# Allegro board LED_FIN.brd (continued)
## Placement (name value [footprint] x y rotation side) (continued)
D12223  0603_LED  [0603_SINGLE]  181.25 186 0 top
D12224  0603_LED  [0603_SINGLE]  183.25 186 0 top
D12225  0603_LED  [0603_SINGLE]  185.25 186 0 top
D12226  0603_LED  [0603_SINGLE]  187.25 186 0 top
D12227  0603_LED  [0603_SINGLE]  189.25 186 0 top
D12228  0603_LED  [0603_SINGLE]  191.25 186 0 top
D12229  0603_LED  [0603_SINGLE]  193.25 186 0 top
D12230  0603_LED  [0603_SINGLE]  195.25 186 0 top
D12231  0603_LED  [0603_SINGLE]  197.25 186 0 top
D12232  0603_LED  [0603_SINGLE]  199.25 186 0 top
D12233  0603_LED  [0603_SINGLE]  201.25 186 0 top
D12234  0603_LED  [0603_SINGLE]  203.25 186 0 top
D12235  0603_LED  [0603_SINGLE]  205.25 186 0 top
D12236  0603_LED  [0603_SINGLE]  207.25 186 0 top
D12237  0603_LED  [0603_SINGLE]  209.25 186 0 top
D12238  0603_LED  [0603_SINGLE]  211.25 186 0 top
D12239  0603_LED  [0603_SINGLE]  213.25 186 0 top
D12240  0603_LED  [0603_SINGLE]  215.25 186 0 top
D12241  0603_LED  [0603_SINGLE]  157.25 184 0 top
D12242  0603_LED  [0603_SINGLE]  159.25 184 0 top
D12243  0603_LED  [0603_SINGLE]  161.25 184 0 top
D12244  0603_LED  [0603_SINGLE]  163.25 184 0 top
D12245  0603_LED  [0603_SINGLE]  165.25 184 0 top
D12246  0603_LED  [0603_SINGLE]  167.25 184 0 top
D12247  0603_LED  [0603_SINGLE]  169.25 184 0 top
D12248  0603_LED  [0603_SINGLE]  171.25 184 0 top
D12249  0603_LED  [0603_SINGLE]  173.25 184 0 top
D12250  0603_LED  [0603_SINGLE]  175.25 184 0 top
D12251  0603_LED  [0603_SINGLE]  177.25 184 0 top
D12252  0603_LED  [0603_SINGLE]  179.25 184 0 top
D12253  0603_LED  [0603_SINGLE]  181.25 184 0 top
D12254  0603_LED  [0603_SINGLE]  183.25 184 0 top
D12255  0603_LED  [0603_SINGLE]  185.25 184 0 top
D12256  0603_LED  [0603_SINGLE]  187.25 184 0 top
D12257  0603_LED  [0603_SINGLE]  189.25 184 0 top
D12258  0603_LED  [0603_SINGLE]  191.25 184 0 top
D12259  0603_LED  [0603_SINGLE]  193.25 184 0 top
D12260  0603_LED  [0603_SINGLE]  195.25 184 0 top
D12261  0603_LED  [0603_SINGLE]  197.25 184 0 top
D12262  0603_LED  [0603_SINGLE]  199.25 184 0 top
D12263  0603_LED  [0603_SINGLE]  201.25 184 0 top
D12264  0603_LED  [0603_SINGLE]  203.25 184 0 top
D12265  0603_LED  [0603_SINGLE]  205.25 184 0 top
D12266  0603_LED  [0603_SINGLE]  207.25 184 0 top
D12267  0603_LED  [0603_SINGLE]  209.25 184 0 top
D12268  0603_LED  [0603_SINGLE]  211.25 184 0 top
D12269  0603_LED  [0603_SINGLE]  213.25 184 0 top
D12270  0603_LED  [0603_SINGLE]  215.25 184 0 top
D12271  0603_LED  [0603_SINGLE]  157.25 182 0 top
D12272  0603_LED  [0603_SINGLE]  159.25 182 0 top
D12273  0603_LED  [0603_SINGLE]  161.25 182 0 top
D12274  0603_LED  [0603_SINGLE]  163.25 182 0 top
D12275  0603_LED  [0603_SINGLE]  165.25 182 0 top
D12276  0603_LED  [0603_SINGLE]  167.25 182 0 top
D12277  0603_LED  [0603_SINGLE]  169.25 182 0 top
D12278  0603_LED  [0603_SINGLE]  171.25 182 0 top
D12279  0603_LED  [0603_SINGLE]  173.25 182 0 top
D12280  0603_LED  [0603_SINGLE]  175.25 182 0 top
D12281  0603_LED  [0603_SINGLE]  177.25 182 0 top
D12282  0603_LED  [0603_SINGLE]  179.25 182 0 top
D12283  0603_LED  [0603_SINGLE]  181.25 182 0 top
D12284  0603_LED  [0603_SINGLE]  183.25 182 0 top
D12285  0603_LED  [0603_SINGLE]  185.25 182 0 top
D12286  0603_LED  [0603_SINGLE]  187.25 182 0 top
D12287  0603_LED  [0603_SINGLE]  189.25 182 0 top
D12288  0603_LED  [0603_SINGLE]  191.25 182 0 top
D12289  0603_LED  [0603_SINGLE]  193.25 182 0 top
D12290  0603_LED  [0603_SINGLE]  195.25 182 0 top
D12291  0603_LED  [0603_SINGLE]  197.25 182 0 top
D12292  0603_LED  [0603_SINGLE]  199.25 182 0 top
D12293  0603_LED  [0603_SINGLE]  201.25 182 0 top
D12294  0603_LED  [0603_SINGLE]  203.25 182 0 top
D12295  0603_LED  [0603_SINGLE]  205.25 182 0 top
D12296  0603_LED  [0603_SINGLE]  207.25 182 0 top
D12297  0603_LED  [0603_SINGLE]  209.25 182 0 top
D12298  0603_LED  [0603_SINGLE]  211.25 182 0 top
D12299  0603_LED  [0603_SINGLE]  213.25 182 0 top
D12300  0603_LED  [0603_SINGLE]  215.25 182 0 top
D12301  0603_LED  [0603_SINGLE]  157.25 180 0 top
D12302  0603_LED  [0603_SINGLE]  159.25 180 0 top
D12303  0603_LED  [0603_SINGLE]  161.25 180 0 top
D12304  0603_LED  [0603_SINGLE]  163.25 180 0 top
D12305  0603_LED  [0603_SINGLE]  165.25 180 0 top
D12306  0603_LED  [0603_SINGLE]  167.25 180 0 top
D12307  0603_LED  [0603_SINGLE]  169.25 180 0 top
D12308  0603_LED  [0603_SINGLE]  171.25 180 0 top
D12309  0603_LED  [0603_SINGLE]  173.25 180 0 top
D12310  0603_LED  [0603_SINGLE]  175.25 180 0 top
D12311  0603_LED  [0603_SINGLE]  177.25 180 0 top
D12312  0603_LED  [0603_SINGLE]  179.25 180 0 top
D12313  0603_LED  [0603_SINGLE]  181.25 180 0 top
D12314  0603_LED  [0603_SINGLE]  183.25 180 0 top
D12315  0603_LED  [0603_SINGLE]  185.25 180 0 top
D12316  0603_LED  [0603_SINGLE]  187.25 180 0 top
D12317  0603_LED  [0603_SINGLE]  189.25 180 0 top
D12318  0603_LED  [0603_SINGLE]  191.25 180 0 top
D12319  0603_LED  [0603_SINGLE]  193.25 180 0 top
D12320  0603_LED  [0603_SINGLE]  195.25 180 0 top
D12321  0603_LED  [0603_SINGLE]  197.25 180 0 top
D12322  0603_LED  [0603_SINGLE]  199.25 180 0 top
D12323  0603_LED  [0603_SINGLE]  201.25 180 0 top
D12324  0603_LED  [0603_SINGLE]  203.25 180 0 top
D12325  0603_LED  [0603_SINGLE]  205.25 180 0 top
D12326  0603_LED  [0603_SINGLE]  207.25 180 0 top
D12327  0603_LED  [0603_SINGLE]  209.25 180 0 top
D12328  0603_LED  [0603_SINGLE]  211.25 180 0 top
D12329  0603_LED  [0603_SINGLE]  213.25 180 0 top
D12330  0603_LED  [0603_SINGLE]  215.25 180 0 top
D12331  0603_LED  [0603_SINGLE]  157.25 178 0 top
D12332  0603_LED  [0603_SINGLE]  159.25 178 0 top
D12333  0603_LED  [0603_SINGLE]  161.25 178 0 top
D12334  0603_LED  [0603_SINGLE]  163.25 178 0 top
D12335  0603_LED  [0603_SINGLE]  165.25 178 0 top
D12336  0603_LED  [0603_SINGLE]  167.25 178 0 top
D12337  0603_LED  [0603_SINGLE]  169.25 178 0 top
D12338  0603_LED  [0603_SINGLE]  171.25 178 0 top
D12339  0603_LED  [0603_SINGLE]  173.25 178 0 top
D12340  0603_LED  [0603_SINGLE]  175.25 178 0 top
D12341  0603_LED  [0603_SINGLE]  177.25 178 0 top
D12342  0603_LED  [0603_SINGLE]  179.25 178 0 top
D12343  0603_LED  [0603_SINGLE]  181.25 178 0 top
D12344  0603_LED  [0603_SINGLE]  183.25 178 0 top
D12345  0603_LED  [0603_SINGLE]  185.25 178 0 top
D12346  0603_LED  [0603_SINGLE]  187.25 178 0 top
D12347  0603_LED  [0603_SINGLE]  189.25 178 0 top
D12348  0603_LED  [0603_SINGLE]  191.25 178 0 top
D12349  0603_LED  [0603_SINGLE]  193.25 178 0 top
D12350  0603_LED  [0603_SINGLE]  195.25 178 0 top
D12351  0603_LED  [0603_SINGLE]  197.25 178 0 top
D12352  0603_LED  [0603_SINGLE]  199.25 178 0 top
D12353  0603_LED  [0603_SINGLE]  201.25 178 0 top
D12354  0603_LED  [0603_SINGLE]  203.25 178 0 top
D12355  0603_LED  [0603_SINGLE]  205.25 178 0 top
D12356  0603_LED  [0603_SINGLE]  207.25 178 0 top
D12357  0603_LED  [0603_SINGLE]  209.25 178 0 top
D12358  0603_LED  [0603_SINGLE]  211.25 178 0 top
D12359  0603_LED  [0603_SINGLE]  213.25 178 0 top
D12360  0603_LED  [0603_SINGLE]  215.25 178 0 top
D12361  0603_LED  [0603_SINGLE]  157.25 176 0 top
D12362  0603_LED  [0603_SINGLE]  159.25 176 0 top
D12363  0603_LED  [0603_SINGLE]  161.25 176 0 top
D12364  0603_LED  [0603_SINGLE]  163.25 176 0 top
D12365  0603_LED  [0603_SINGLE]  165.25 176 0 top
D12366  0603_LED  [0603_SINGLE]  167.25 176 0 top
D12367  0603_LED  [0603_SINGLE]  169.25 176 0 top
D12368  0603_LED  [0603_SINGLE]  171.25 176 0 top
D12369  0603_LED  [0603_SINGLE]  173.25 176 0 top
D12370  0603_LED  [0603_SINGLE]  175.25 176 0 top
D12371  0603_LED  [0603_SINGLE]  177.25 176 0 top
D12372  0603_LED  [0603_SINGLE]  179.25 176 0 top
D12373  0603_LED  [0603_SINGLE]  181.25 176 0 top
D12374  0603_LED  [0603_SINGLE]  183.25 176 0 top
D12375  0603_LED  [0603_SINGLE]  185.25 176 0 top
D12376  0603_LED  [0603_SINGLE]  187.25 176 0 top
D12377  0603_LED  [0603_SINGLE]  189.25 176 0 top
D12378  0603_LED  [0603_SINGLE]  191.25 176 0 top
D12379  0603_LED  [0603_SINGLE]  193.25 176 0 top
D12380  0603_LED  [0603_SINGLE]  195.25 176 0 top
D12381  0603_LED  [0603_SINGLE]  197.25 176 0 top
D12382  0603_LED  [0603_SINGLE]  199.25 176 0 top
D12383  0603_LED  [0603_SINGLE]  201.25 176 0 top
D12384  0603_LED  [0603_SINGLE]  203.25 176 0 top
D12385  0603_LED  [0603_SINGLE]  205.25 176 0 top
D12386  0603_LED  [0603_SINGLE]  207.25 176 0 top
D12387  0603_LED  [0603_SINGLE]  209.25 176 0 top
D12388  0603_LED  [0603_SINGLE]  211.25 176 0 top
D12389  0603_LED  [0603_SINGLE]  213.25 176 0 top
D12390  0603_LED  [0603_SINGLE]  215.25 176 0 top
D12391  0603_LED  [0603_SINGLE]  157.25 174 0 top
D12392  0603_LED  [0603_SINGLE]  159.25 174 0 top
D12393  0603_LED  [0603_SINGLE]  161.25 174 0 top
D12394  0603_LED  [0603_SINGLE]  163.25 174 0 top
D12395  0603_LED  [0603_SINGLE]  165.25 174 0 top
D12396  0603_LED  [0603_SINGLE]  167.25 174 0 top
D12397  0603_LED  [0603_SINGLE]  169.25 174 0 top
D12398  0603_LED  [0603_SINGLE]  171.25 174 0 top
D12399  0603_LED  [0603_SINGLE]  173.25 174 0 top
D12400  0603_LED  [0603_SINGLE]  175.25 174 0 top
D12401  0603_LED  [0603_SINGLE]  177.25 174 0 top
D12402  0603_LED  [0603_SINGLE]  179.25 174 0 top
D12403  0603_LED  [0603_SINGLE]  181.25 174 0 top
D12404  0603_LED  [0603_SINGLE]  183.25 174 0 top
D12405  0603_LED  [0603_SINGLE]  185.25 174 0 top
D12406  0603_LED  [0603_SINGLE]  187.25 174 0 top
D12407  0603_LED  [0603_SINGLE]  189.25 174 0 top
D12408  0603_LED  [0603_SINGLE]  191.25 174 0 top
D12409  0603_LED  [0603_SINGLE]  193.25 174 0 top
D12410  0603_LED  [0603_SINGLE]  195.25 174 0 top
D12411  0603_LED  [0603_SINGLE]  197.25 174 0 top
D12412  0603_LED  [0603_SINGLE]  199.25 174 0 top
D12413  0603_LED  [0603_SINGLE]  201.25 174 0 top
D12414  0603_LED  [0603_SINGLE]  203.25 174 0 top
D12415  0603_LED  [0603_SINGLE]  205.25 174 0 top
D12416  0603_LED  [0603_SINGLE]  207.25 174 0 top
D12417  0603_LED  [0603_SINGLE]  209.25 174 0 top
D12418  0603_LED  [0603_SINGLE]  211.25 174 0 top
D12419  0603_LED  [0603_SINGLE]  213.25 174 0 top
D12420  0603_LED  [0603_SINGLE]  215.25 174 0 top
D12421  0603_LED  [0603_SINGLE]  157.25 172 0 top
D12422  0603_LED  [0603_SINGLE]  159.25 172 0 top
D12423  0603_LED  [0603_SINGLE]  161.25 172 0 top
D12424  0603_LED  [0603_SINGLE]  163.25 172 0 top
D12425  0603_LED  [0603_SINGLE]  165.25 172 0 top
D12426  0603_LED  [0603_SINGLE]  167.25 172 0 top
D12427  0603_LED  [0603_SINGLE]  169.25 172 0 top
D12428  0603_LED  [0603_SINGLE]  171.25 172 0 top
D12429  0603_LED  [0603_SINGLE]  173.25 172 0 top
D12430  0603_LED  [0603_SINGLE]  175.25 172 0 top
D12431  0603_LED  [0603_SINGLE]  177.25 172 0 top
D12432  0603_LED  [0603_SINGLE]  179.25 172 0 top
D12433  0603_LED  [0603_SINGLE]  181.25 172 0 top
D12434  0603_LED  [0603_SINGLE]  183.25 172 0 top
D12435  0603_LED  [0603_SINGLE]  185.25 172 0 top
D12436  0603_LED  [0603_SINGLE]  187.25 172 0 top
D12437  0603_LED  [0603_SINGLE]  189.25 172 0 top
D12438  0603_LED  [0603_SINGLE]  191.25 172 0 top
D12439  0603_LED  [0603_SINGLE]  193.25 172 0 top
D12440  0603_LED  [0603_SINGLE]  195.25 172 0 top
D12441  0603_LED  [0603_SINGLE]  197.25 172 0 top
D12442  0603_LED  [0603_SINGLE]  199.25 172 0 top
D12443  0603_LED  [0603_SINGLE]  201.25 172 0 top
D12444  0603_LED  [0603_SINGLE]  203.25 172 0 top
D12445  0603_LED  [0603_SINGLE]  205.25 172 0 top
D12446  0603_LED  [0603_SINGLE]  207.25 172 0 top
D12447  0603_LED  [0603_SINGLE]  209.25 172 0 top
D12448  0603_LED  [0603_SINGLE]  211.25 172 0 top
D12449  0603_LED  [0603_SINGLE]  213.25 172 0 top
D12450  0603_LED  [0603_SINGLE]  215.25 172 0 top
D12451  0603_LED  [0603_SINGLE]  157.25 170 0 top
D12452  0603_LED  [0603_SINGLE]  159.25 170 0 top
D12453  0603_LED  [0603_SINGLE]  161.25 170 0 top
D12454  0603_LED  [0603_SINGLE]  163.25 170 0 top
D12455  0603_LED  [0603_SINGLE]  165.25 170 0 top
D12456  0603_LED  [0603_SINGLE]  167.25 170 0 top
D12457  0603_LED  [0603_SINGLE]  169.25 170 0 top
D12458  0603_LED  [0603_SINGLE]  171.25 170 0 top
D12459  0603_LED  [0603_SINGLE]  173.25 170 0 top
D12460  0603_LED  [0603_SINGLE]  175.25 170 0 top
D12461  0603_LED  [0603_SINGLE]  177.25 170 0 top
D12462  0603_LED  [0603_SINGLE]  179.25 170 0 top
D12463  0603_LED  [0603_SINGLE]  181.25 170 0 top
D12464  0603_LED  [0603_SINGLE]  183.25 170 0 top
D12465  0603_LED  [0603_SINGLE]  185.25 170 0 top
D12466  0603_LED  [0603_SINGLE]  187.25 170 0 top
D12467  0603_LED  [0603_SINGLE]  189.25 170 0 top
D12468  0603_LED  [0603_SINGLE]  191.25 170 0 top
D12469  0603_LED  [0603_SINGLE]  193.25 170 0 top
D12470  0603_LED  [0603_SINGLE]  195.25 170 0 top
D12471  0603_LED  [0603_SINGLE]  197.25 170 0 top
D12472  0603_LED  [0603_SINGLE]  199.25 170 0 top
D12473  0603_LED  [0603_SINGLE]  201.25 170 0 top
D12474  0603_LED  [0603_SINGLE]  203.25 170 0 top
D12475  0603_LED  [0603_SINGLE]  205.25 170 0 top
D12476  0603_LED  [0603_SINGLE]  207.25 170 0 top
D12477  0603_LED  [0603_SINGLE]  209.25 170 0 top
D12478  0603_LED  [0603_SINGLE]  211.25 170 0 top
D12479  0603_LED  [0603_SINGLE]  213.25 170 0 top
D12480  0603_LED  [0603_SINGLE]  215.25 170 0 top
D12481  0603_LED  [0603_SINGLE]  157.25 168 0 top
D12482  0603_LED  [0603_SINGLE]  159.25 168 0 top
D12483  0603_LED  [0603_SINGLE]  161.25 168 0 top
D12484  0603_LED  [0603_SINGLE]  163.25 168 0 top
D12485  0603_LED  [0603_SINGLE]  165.25 168 0 top
D12486  0603_LED  [0603_SINGLE]  167.25 168 0 top
D12487  0603_LED  [0603_SINGLE]  169.25 168 0 top
D12488  0603_LED  [0603_SINGLE]  171.25 168 0 top
D12489  0603_LED  [0603_SINGLE]  173.25 168 0 top
D12490  0603_LED  [0603_SINGLE]  175.25 168 0 top
D12491  0603_LED  [0603_SINGLE]  177.25 168 0 top
D12492  0603_LED  [0603_SINGLE]  179.25 168 0 top
D12493  0603_LED  [0603_SINGLE]  181.25 168 0 top
D12494  0603_LED  [0603_SINGLE]  183.25 168 0 top
D12495  0603_LED  [0603_SINGLE]  185.25 168 0 top
D12496  0603_LED  [0603_SINGLE]  187.25 168 0 top
D12497  0603_LED  [0603_SINGLE]  189.25 168 0 top
D12498  0603_LED  [0603_SINGLE]  191.25 168 0 top
D12499  0603_LED  [0603_SINGLE]  193.25 168 0 top
D12500  0603_LED  [0603_SINGLE]  195.25 168 0 top
D12501  0603_LED  [0603_SINGLE]  197.25 168 0 top
D12502  0603_LED  [0603_SINGLE]  199.25 168 0 top
D12503  0603_LED  [0603_SINGLE]  201.25 168 0 top
D12504  0603_LED  [0603_SINGLE]  203.25 168 0 top
D12505  0603_LED  [0603_SINGLE]  205.25 168 0 top
D12506  0603_LED  [0603_SINGLE]  207.25 168 0 top
D12507  0603_LED  [0603_SINGLE]  209.25 168 0 top
D12508  0603_LED  [0603_SINGLE]  211.25 168 0 top
D12509  0603_LED  [0603_SINGLE]  213.25 168 0 top
D12510  0603_LED  [0603_SINGLE]  215.25 168 0 top
D12511  0603_LED  [0603_SINGLE]  157.25 166 0 top
D12512  0603_LED  [0603_SINGLE]  159.25 166 0 top
D12513  0603_LED  [0603_SINGLE]  161.25 166 0 top
D12514  0603_LED  [0603_SINGLE]  163.25 166 0 top
D12515  0603_LED  [0603_SINGLE]  165.25 166 0 top
D12516  0603_LED  [0603_SINGLE]  167.25 166 0 top
D12517  0603_LED  [0603_SINGLE]  169.25 166 0 top
D12518  0603_LED  [0603_SINGLE]  171.25 166 0 top
D12519  0603_LED  [0603_SINGLE]  173.25 166 0 top
D12520  0603_LED  [0603_SINGLE]  175.25 166 0 top
D12521  0603_LED  [0603_SINGLE]  177.25 166 0 top
D12522  0603_LED  [0603_SINGLE]  179.25 166 0 top
D12523  0603_LED  [0603_SINGLE]  181.25 166 0 top
D12524  0603_LED  [0603_SINGLE]  183.25 166 0 top
D12525  0603_LED  [0603_SINGLE]  185.25 166 0 top
D12526  0603_LED  [0603_SINGLE]  187.25 166 0 top
D12527  0603_LED  [0603_SINGLE]  189.25 166 0 top
D12528  0603_LED  [0603_SINGLE]  191.25 166 0 top
D12529  0603_LED  [0603_SINGLE]  193.25 166 0 top
D12530  0603_LED  [0603_SINGLE]  195.25 166 0 top
D12531  0603_LED  [0603_SINGLE]  197.25 166 0 top
D12532  0603_LED  [0603_SINGLE]  199.25 166 0 top
D12533  0603_LED  [0603_SINGLE]  201.25 166 0 top
D12534  0603_LED  [0603_SINGLE]  203.25 166 0 top
D12535  0603_LED  [0603_SINGLE]  205.25 166 0 top
D12536  0603_LED  [0603_SINGLE]  207.25 166 0 top
D12537  0603_LED  [0603_SINGLE]  209.25 166 0 top
D12538  0603_LED  [0603_SINGLE]  211.25 166 0 top
D12539  0603_LED  [0603_SINGLE]  213.25 166 0 top
D12540  0603_LED  [0603_SINGLE]  215.25 166 0 top
D12541  0603_LED  [0603_SINGLE]  217.25 240 0 top
D12542  0603_LED  [0603_SINGLE]  219.25 240 0 top
D12543  0603_LED  [0603_SINGLE]  221.25 240 0 top
D12544  0603_LED  [0603_SINGLE]  223.25 240 0 top
D12545  0603_LED  [0603_SINGLE]  225.25 240 0 top
D12546  0603_LED  [0603_SINGLE]  227.25 240 0 top
D12547  0603_LED  [0603_SINGLE]  229.25 240 0 top
D12548  0603_LED  [0603_SINGLE]  231.25 240 0 top
D12549  0603_LED  [0603_SINGLE]  233.25 240 0 top
D12550  0603_LED  [0603_SINGLE]  235.25 240 0 top
D12551  0603_LED  [0603_SINGLE]  237.25 240 0 top
D12552  0603_LED  [0603_SINGLE]  239.25 240 0 top
D12553  0603_LED  [0603_SINGLE]  241.25 240 0 top
D12554  0603_LED  [0603_SINGLE]  243.25 240 0 top
D12555  0603_LED  [0603_SINGLE]  245.25 240 0 top
D12556  0603_LED  [0603_SINGLE]  247.25 240 0 top
D12557  0603_LED  [0603_SINGLE]  249.25 240 0 top
D12558  0603_LED  [0603_SINGLE]  251.25 240 0 top
D12559  0603_LED  [0603_SINGLE]  253.25 240 0 top
D12560  0603_LED  [0603_SINGLE]  255.25 240 0 top
D12561  0603_LED  [0603_SINGLE]  257.25 240 0 top
D12562  0603_LED  [0603_SINGLE]  259.25 240 0 top
D12563  0603_LED  [0603_SINGLE]  261.25 240 0 top
D12564  0603_LED  [0603_SINGLE]  263.25 240 0 top
D12565  0603_LED  [0603_SINGLE]  265.25 240 0 top
D12566  0603_LED  [0603_SINGLE]  267.25 240 0 top
D12567  0603_LED  [0603_SINGLE]  269.25 240 0 top
D12568  0603_LED  [0603_SINGLE]  271.25 240 0 top
D12569  0603_LED  [0603_SINGLE]  273.25 240 0 top
D12570  0603_LED  [0603_SINGLE]  275.25 240 0 top
D12571  0603_LED  [0603_SINGLE]  217.25 238 0 top
D12572  0603_LED  [0603_SINGLE]  219.25 238 0 top
D12573  0603_LED  [0603_SINGLE]  221.25 238 0 top
D12574  0603_LED  [0603_SINGLE]  223.25 238 0 top
D12575  0603_LED  [0603_SINGLE]  225.25 238 0 top
D12576  0603_LED  [0603_SINGLE]  227.25 238 0 top
D12577  0603_LED  [0603_SINGLE]  229.25 238 0 top
D12578  0603_LED  [0603_SINGLE]  231.25 238 0 top
D12579  0603_LED  [0603_SINGLE]  233.25 238 0 top
D12580  0603_LED  [0603_SINGLE]  235.25 238 0 top
D12581  0603_LED  [0603_SINGLE]  237.25 238 0 top
D12582  0603_LED  [0603_SINGLE]  239.25 238 0 top
D12583  0603_LED  [0603_SINGLE]  241.25 238 0 top
D12584  0603_LED  [0603_SINGLE]  243.25 238 0 top
D12585  0603_LED  [0603_SINGLE]  245.25 238 0 top
D12586  0603_LED  [0603_SINGLE]  247.25 238 0 top
D12587  0603_LED  [0603_SINGLE]  249.25 238 0 top
D12588  0603_LED  [0603_SINGLE]  251.25 238 0 top
D12589  0603_LED  [0603_SINGLE]  253.25 238 0 top
D12590  0603_LED  [0603_SINGLE]  255.25 238 0 top
D12591  0603_LED  [0603_SINGLE]  257.25 238 0 top
D12592  0603_LED  [0603_SINGLE]  259.25 238 0 top
D12593  0603_LED  [0603_SINGLE]  261.25 238 0 top
D12594  0603_LED  [0603_SINGLE]  263.25 238 0 top
D12595  0603_LED  [0603_SINGLE]  265.25 238 0 top
D12596  0603_LED  [0603_SINGLE]  267.25 238 0 top
D12597  0603_LED  [0603_SINGLE]  269.25 238 0 top
D12598  0603_LED  [0603_SINGLE]  271.25 238 0 top
D12599  0603_LED  [0603_SINGLE]  273.25 238 0 top
D12600  0603_LED  [0603_SINGLE]  275.25 238 0 top
D12601  0603_LED  [0603_SINGLE]  217.25 236 0 top
D12602  0603_LED  [0603_SINGLE]  219.25 236 0 top
D12603  0603_LED  [0603_SINGLE]  221.25 236 0 top
D12604  0603_LED  [0603_SINGLE]  223.25 236 0 top
D12605  0603_LED  [0603_SINGLE]  225.25 236 0 top
D12606  0603_LED  [0603_SINGLE]  227.25 236 0 top
D12607  0603_LED  [0603_SINGLE]  229.25 236 0 top
D12608  0603_LED  [0603_SINGLE]  231.25 236 0 top
D12609  0603_LED  [0603_SINGLE]  233.25 236 0 top
D12610  0603_LED  [0603_SINGLE]  235.25 236 0 top
D12611  0603_LED  [0603_SINGLE]  237.25 236 0 top
D12612  0603_LED  [0603_SINGLE]  239.25 236 0 top
D12613  0603_LED  [0603_SINGLE]  241.25 236 0 top
D12614  0603_LED  [0603_SINGLE]  243.25 236 0 top
D12615  0603_LED  [0603_SINGLE]  245.25 236 0 top
D12616  0603_LED  [0603_SINGLE]  247.25 236 0 top
D12617  0603_LED  [0603_SINGLE]  249.25 236 0 top
D12618  0603_LED  [0603_SINGLE]  251.25 236 0 top
D12619  0603_LED  [0603_SINGLE]  253.25 236 0 top
D12620  0603_LED  [0603_SINGLE]  255.25 236 0 top
D12621  0603_LED  [0603_SINGLE]  257.25 236 0 top
D12622  0603_LED  [0603_SINGLE]  259.25 236 0 top
D12623  0603_LED  [0603_SINGLE]  261.25 236 0 top
D12624  0603_LED  [0603_SINGLE]  263.25 236 0 top
D12625  0603_LED  [0603_SINGLE]  265.25 236 0 top
D12626  0603_LED  [0603_SINGLE]  267.25 236 0 top
D12627  0603_LED  [0603_SINGLE]  269.25 236 0 top
D12628  0603_LED  [0603_SINGLE]  271.25 236 0 top
D12629  0603_LED  [0603_SINGLE]  273.25 236 0 top
D12630  0603_LED  [0603_SINGLE]  275.25 236 0 top
D12631  0603_LED  [0603_SINGLE]  217.25 234 0 top
D12632  0603_LED  [0603_SINGLE]  219.25 234 0 top
D12633  0603_LED  [0603_SINGLE]  221.25 234 0 top
D12634  0603_LED  [0603_SINGLE]  223.25 234 0 top
D12635  0603_LED  [0603_SINGLE]  225.25 234 0 top
D12636  0603_LED  [0603_SINGLE]  227.25 234 0 top
D12637  0603_LED  [0603_SINGLE]  229.25 234 0 top
D12638  0603_LED  [0603_SINGLE]  231.25 234 0 top
D12639  0603_LED  [0603_SINGLE]  233.25 234 0 top
D12640  0603_LED  [0603_SINGLE]  235.25 234 0 top
D12641  0603_LED  [0603_SINGLE]  237.25 234 0 top
D12642  0603_LED  [0603_SINGLE]  239.25 234 0 top
D12643  0603_LED  [0603_SINGLE]  241.25 234 0 top
D12644  0603_LED  [0603_SINGLE]  243.25 234 0 top
D12645  0603_LED  [0603_SINGLE]  245.25 234 0 top
D12646  0603_LED  [0603_SINGLE]  247.25 234 0 top
D12647  0603_LED  [0603_SINGLE]  249.25 234 0 top
D12648  0603_LED  [0603_SINGLE]  251.25 234 0 top
D12649  0603_LED  [0603_SINGLE]  253.25 234 0 top
D12650  0603_LED  [0603_SINGLE]  255.25 234 0 top
D12651  0603_LED  [0603_SINGLE]  257.25 234 0 top
D12652  0603_LED  [0603_SINGLE]  259.25 234 0 top
D12653  0603_LED  [0603_SINGLE]  261.25 234 0 top
D12654  0603_LED  [0603_SINGLE]  263.25 234 0 top
D12655  0603_LED  [0603_SINGLE]  265.25 234 0 top
D12656  0603_LED  [0603_SINGLE]  267.25 234 0 top
D12657  0603_LED  [0603_SINGLE]  269.25 234 0 top
D12658  0603_LED  [0603_SINGLE]  271.25 234 0 top
D12659  0603_LED  [0603_SINGLE]  273.25 234 0 top
D12660  0603_LED  [0603_SINGLE]  275.25 234 0 top
D12661  0603_LED  [0603_SINGLE]  217.25 232 0 top
D12662  0603_LED  [0603_SINGLE]  219.25 232 0 top
D12663  0603_LED  [0603_SINGLE]  221.25 232 0 top
D12664  0603_LED  [0603_SINGLE]  223.25 232 0 top
D12665  0603_LED  [0603_SINGLE]  225.25 232 0 top
D12666  0603_LED  [0603_SINGLE]  227.25 232 0 top
D12667  0603_LED  [0603_SINGLE]  229.25 232 0 top
D12668  0603_LED  [0603_SINGLE]  231.25 232 0 top
D12669  0603_LED  [0603_SINGLE]  233.25 232 0 top
D12670  0603_LED  [0603_SINGLE]  235.25 232 0 top
D12671  0603_LED  [0603_SINGLE]  237.25 232 0 top
D12672  0603_LED  [0603_SINGLE]  239.25 232 0 top
D12673  0603_LED  [0603_SINGLE]  241.25 232 0 top
D12674  0603_LED  [0603_SINGLE]  243.25 232 0 top
D12675  0603_LED  [0603_SINGLE]  245.25 232 0 top
D12676  0603_LED  [0603_SINGLE]  247.25 232 0 top
D12677  0603_LED  [0603_SINGLE]  249.25 232 0 top
D12678  0603_LED  [0603_SINGLE]  251.25 232 0 top
D12679  0603_LED  [0603_SINGLE]  253.25 232 0 top
D12680  0603_LED  [0603_SINGLE]  255.25 232 0 top
D12681  0603_LED  [0603_SINGLE]  257.25 232 0 top
D12682  0603_LED  [0603_SINGLE]  259.25 232 0 top
D12683  0603_LED  [0603_SINGLE]  261.25 232 0 top
D12684  0603_LED  [0603_SINGLE]  263.25 232 0 top
D12685  0603_LED  [0603_SINGLE]  265.25 232 0 top
D12686  0603_LED  [0603_SINGLE]  267.25 232 0 top
D12687  0603_LED  [0603_SINGLE]  269.25 232 0 top
D12688  0603_LED  [0603_SINGLE]  271.25 232 0 top
D12689  0603_LED  [0603_SINGLE]  273.25 232 0 top
D12690  0603_LED  [0603_SINGLE]  275.25 232 0 top
D12691  0603_LED  [0603_SINGLE]  217.25 230 0 top
D12692  0603_LED  [0603_SINGLE]  219.25 230 0 top
D12693  0603_LED  [0603_SINGLE]  221.25 230 0 top
D12694  0603_LED  [0603_SINGLE]  223.25 230 0 top
D12695  0603_LED  [0603_SINGLE]  225.25 230 0 top
D12696  0603_LED  [0603_SINGLE]  227.25 230 0 top
D12697  0603_LED  [0603_SINGLE]  229.25 230 0 top
D12698  0603_LED  [0603_SINGLE]  231.25 230 0 top
D12699  0603_LED  [0603_SINGLE]  233.25 230 0 top
D12700  0603_LED  [0603_SINGLE]  235.25 230 0 top
D12701  0603_LED  [0603_SINGLE]  237.25 230 0 top
D12702  0603_LED  [0603_SINGLE]  239.25 230 0 top
D12703  0603_LED  [0603_SINGLE]  241.25 230 0 top
D12704  0603_LED  [0603_SINGLE]  243.25 230 0 top
D12705  0603_LED  [0603_SINGLE]  245.25 230 0 top
D12706  0603_LED  [0603_SINGLE]  247.25 230 0 top
D12707  0603_LED  [0603_SINGLE]  249.25 230 0 top
D12708  0603_LED  [0603_SINGLE]  251.25 230 0 top
D12709  0603_LED  [0603_SINGLE]  253.25 230 0 top
D12710  0603_LED  [0603_SINGLE]  255.25 230 0 top
D12711  0603_LED  [0603_SINGLE]  257.25 230 0 top
D12712  0603_LED  [0603_SINGLE]  259.25 230 0 top
D12713  0603_LED  [0603_SINGLE]  261.25 230 0 top
D12714  0603_LED  [0603_SINGLE]  263.25 230 0 top
D12715  0603_LED  [0603_SINGLE]  265.25 230 0 top
D12716  0603_LED  [0603_SINGLE]  267.25 230 0 top
D12717  0603_LED  [0603_SINGLE]  269.25 230 0 top
D12718  0603_LED  [0603_SINGLE]  271.25 230 0 top
D12719  0603_LED  [0603_SINGLE]  273.25 230 0 top
D12720  0603_LED  [0603_SINGLE]  275.25 230 0 top
D12721  0603_LED  [0603_SINGLE]  217.25 228 0 top
D12722  0603_LED  [0603_SINGLE]  219.25 228 0 top
D12723  0603_LED  [0603_SINGLE]  221.25 228 0 top
D12724  0603_LED  [0603_SINGLE]  223.25 228 0 top
D12725  0603_LED  [0603_SINGLE]  225.25 228 0 top
D12726  0603_LED  [0603_SINGLE]  227.25 228 0 top
D12727  0603_LED  [0603_SINGLE]  229.25 228 0 top
D12728  0603_LED  [0603_SINGLE]  231.25 228 0 top
D12729  0603_LED  [0603_SINGLE]  233.25 228 0 top
D12730  0603_LED  [0603_SINGLE]  235.25 228 0 top
D12731  0603_LED  [0603_SINGLE]  237.25 228 0 top
D12732  0603_LED  [0603_SINGLE]  239.25 228 0 top
D12733  0603_LED  [0603_SINGLE]  241.25 228 0 top
D12734  0603_LED  [0603_SINGLE]  243.25 228 0 top
D12735  0603_LED  [0603_SINGLE]  245.25 228 0 top
D12736  0603_LED  [0603_SINGLE]  247.25 228 0 top
D12737  0603_LED  [0603_SINGLE]  249.25 228 0 top
D12738  0603_LED  [0603_SINGLE]  251.25 228 0 top
D12739  0603_LED  [0603_SINGLE]  253.25 228 0 top
D12740  0603_LED  [0603_SINGLE]  255.25 228 0 top
D12741  0603_LED  [0603_SINGLE]  257.25 228 0 top
D12742  0603_LED  [0603_SINGLE]  259.25 228 0 top
D12743  0603_LED  [0603_SINGLE]  261.25 228 0 top
D12744  0603_LED  [0603_SINGLE]  263.25 228 0 top
D12745  0603_LED  [0603_SINGLE]  265.25 228 0 top
D12746  0603_LED  [0603_SINGLE]  267.25 228 0 top
D12747  0603_LED  [0603_SINGLE]  269.25 228 0 top
D12748  0603_LED  [0603_SINGLE]  271.25 228 0 top
D12749  0603_LED  [0603_SINGLE]  273.25 228 0 top
D12750  0603_LED  [0603_SINGLE]  275.25 228 0 top
D12751  0603_LED  [0603_SINGLE]  217.25 226 0 top
D12752  0603_LED  [0603_SINGLE]  219.25 226 0 top
D12753  0603_LED  [0603_SINGLE]  221.25 226 0 top
D12754  0603_LED  [0603_SINGLE]  223.25 226 0 top
D12755  0603_LED  [0603_SINGLE]  225.25 226 0 top
D12756  0603_LED  [0603_SINGLE]  227.25 226 0 top
D12757  0603_LED  [0603_SINGLE]  229.25 226 0 top
D12758  0603_LED  [0603_SINGLE]  231.25 226 0 top
D12759  0603_LED  [0603_SINGLE]  233.25 226 0 top
D12760  0603_LED  [0603_SINGLE]  235.25 226 0 top
D12761  0603_LED  [0603_SINGLE]  237.25 226 0 top
D12762  0603_LED  [0603_SINGLE]  239.25 226 0 top
D12763  0603_LED  [0603_SINGLE]  241.25 226 0 top
D12764  0603_LED  [0603_SINGLE]  243.25 226 0 top
D12765  0603_LED  [0603_SINGLE]  245.25 226 0 top
D12766  0603_LED  [0603_SINGLE]  247.25 226 0 top
D12767  0603_LED  [0603_SINGLE]  249.25 226 0 top
D12768  0603_LED  [0603_SINGLE]  251.25 226 0 top
D12769  0603_LED  [0603_SINGLE]  253.25 226 0 top
D12770  0603_LED  [0603_SINGLE]  255.25 226 0 top
D12771  0603_LED  [0603_SINGLE]  257.25 226 0 top
D12772  0603_LED  [0603_SINGLE]  259.25 226 0 top
D12773  0603_LED  [0603_SINGLE]  261.25 226 0 top
D12774  0603_LED  [0603_SINGLE]  263.25 226 0 top
D12775  0603_LED  [0603_SINGLE]  265.25 226 0 top
D12776  0603_LED  [0603_SINGLE]  267.25 226 0 top
D12777  0603_LED  [0603_SINGLE]  269.25 226 0 top
D12778  0603_LED  [0603_SINGLE]  271.25 226 0 top
D12779  0603_LED  [0603_SINGLE]  273.25 226 0 top
D12780  0603_LED  [0603_SINGLE]  275.25 226 0 top
D12781  0603_LED  [0603_SINGLE]  217.25 224 0 top
D12782  0603_LED  [0603_SINGLE]  219.25 224 0 top
D12783  0603_LED  [0603_SINGLE]  221.25 224 0 top
D12784  0603_LED  [0603_SINGLE]  223.25 224 0 top
D12785  0603_LED  [0603_SINGLE]  225.25 224 0 top
D12786  0603_LED  [0603_SINGLE]  227.25 224 0 top
D12787  0603_LED  [0603_SINGLE]  229.25 224 0 top
D12788  0603_LED  [0603_SINGLE]  231.25 224 0 top
D12789  0603_LED  [0603_SINGLE]  233.25 224 0 top
D12790  0603_LED  [0603_SINGLE]  235.25 224 0 top
D12791  0603_LED  [0603_SINGLE]  237.25 224 0 top
D12792  0603_LED  [0603_SINGLE]  239.25 224 0 top
D12793  0603_LED  [0603_SINGLE]  241.25 224 0 top
D12794  0603_LED  [0603_SINGLE]  243.25 224 0 top
D12795  0603_LED  [0603_SINGLE]  245.25 224 0 top
D12796  0603_LED  [0603_SINGLE]  247.25 224 0 top
D12797  0603_LED  [0603_SINGLE]  249.25 224 0 top
D12798  0603_LED  [0603_SINGLE]  251.25 224 0 top
D12799  0603_LED  [0603_SINGLE]  253.25 224 0 top
D12800  0603_LED  [0603_SINGLE]  255.25 224 0 top
D12801  0603_LED  [0603_SINGLE]  257.25 224 0 top
D12802  0603_LED  [0603_SINGLE]  259.25 224 0 top
D12803  0603_LED  [0603_SINGLE]  261.25 224 0 top
D12804  0603_LED  [0603_SINGLE]  263.25 224 0 top
D12805  0603_LED  [0603_SINGLE]  265.25 224 0 top
D12806  0603_LED  [0603_SINGLE]  267.25 224 0 top
D12807  0603_LED  [0603_SINGLE]  269.25 224 0 top
D12808  0603_LED  [0603_SINGLE]  271.25 224 0 top
D12809  0603_LED  [0603_SINGLE]  273.25 224 0 top
D12810  0603_LED  [0603_SINGLE]  275.25 224 0 top
D12811  0603_LED  [0603_SINGLE]  217.25 222 0 top
D12812  0603_LED  [0603_SINGLE]  219.25 222 0 top
D12813  0603_LED  [0603_SINGLE]  221.25 222 0 top
D12814  0603_LED  [0603_SINGLE]  223.25 222 0 top
D12815  0603_LED  [0603_SINGLE]  225.25 222 0 top
D12816  0603_LED  [0603_SINGLE]  227.25 222 0 top
D12817  0603_LED  [0603_SINGLE]  229.25 222 0 top
D12818  0603_LED  [0603_SINGLE]  231.25 222 0 top
D12819  0603_LED  [0603_SINGLE]  233.25 222 0 top
D12820  0603_LED  [0603_SINGLE]  235.25 222 0 top
D12821  0603_LED  [0603_SINGLE]  237.25 222 0 top
D12822  0603_LED  [0603_SINGLE]  239.25 222 0 top
D12823  0603_LED  [0603_SINGLE]  241.25 222 0 top
D12824  0603_LED  [0603_SINGLE]  243.25 222 0 top
D12825  0603_LED  [0603_SINGLE]  245.25 222 0 top
D12826  0603_LED  [0603_SINGLE]  247.25 222 0 top
D12827  0603_LED  [0603_SINGLE]  249.25 222 0 top
D12828  0603_LED  [0603_SINGLE]  251.25 222 0 top
D12829  0603_LED  [0603_SINGLE]  253.25 222 0 top
D12830  0603_LED  [0603_SINGLE]  255.25 222 0 top
D12831  0603_LED  [0603_SINGLE]  257.25 222 0 top
D12832  0603_LED  [0603_SINGLE]  259.25 222 0 top
D12833  0603_LED  [0603_SINGLE]  261.25 222 0 top
D12834  0603_LED  [0603_SINGLE]  263.25 222 0 top
D12835  0603_LED  [0603_SINGLE]  265.25 222 0 top
D12836  0603_LED  [0603_SINGLE]  267.25 222 0 top
D12837  0603_LED  [0603_SINGLE]  269.25 222 0 top
D12838  0603_LED  [0603_SINGLE]  271.25 222 0 top
D12839  0603_LED  [0603_SINGLE]  273.25 222 0 top
D12840  0603_LED  [0603_SINGLE]  275.25 222 0 top
D12841  0603_LED  [0603_SINGLE]  217.25 220 0 top
D12842  0603_LED  [0603_SINGLE]  219.25 220 0 top
D12843  0603_LED  [0603_SINGLE]  221.25 220 0 top
D12844  0603_LED  [0603_SINGLE]  223.25 220 0 top
D12845  0603_LED  [0603_SINGLE]  225.25 220 0 top
D12846  0603_LED  [0603_SINGLE]  227.25 220 0 top
D12847  0603_LED  [0603_SINGLE]  229.25 220 0 top
D12848  0603_LED  [0603_SINGLE]  231.25 220 0 top
D12849  0603_LED  [0603_SINGLE]  233.25 220 0 top
D12850  0603_LED  [0603_SINGLE]  235.25 220 0 top
D12851  0603_LED  [0603_SINGLE]  237.25 220 0 top
D12852  0603_LED  [0603_SINGLE]  239.25 220 0 top
D12853  0603_LED  [0603_SINGLE]  241.25 220 0 top
D12854  0603_LED  [0603_SINGLE]  243.25 220 0 top
D12855  0603_LED  [0603_SINGLE]  245.25 220 0 top
D12856  0603_LED  [0603_SINGLE]  247.25 220 0 top
D12857  0603_LED  [0603_SINGLE]  249.25 220 0 top
D12858  0603_LED  [0603_SINGLE]  251.25 220 0 top
D12859  0603_LED  [0603_SINGLE]  253.25 220 0 top
D12860  0603_LED  [0603_SINGLE]  255.25 220 0 top
D12861  0603_LED  [0603_SINGLE]  257.25 220 0 top
D12862  0603_LED  [0603_SINGLE]  259.25 220 0 top
D12863  0603_LED  [0603_SINGLE]  261.25 220 0 top
D12864  0603_LED  [0603_SINGLE]  263.25 220 0 top
D12865  0603_LED  [0603_SINGLE]  265.25 220 0 top
D12866  0603_LED  [0603_SINGLE]  267.25 220 0 top
D12867  0603_LED  [0603_SINGLE]  269.25 220 0 top
D12868  0603_LED  [0603_SINGLE]  271.25 220 0 top
D12869  0603_LED  [0603_SINGLE]  273.25 220 0 top
D12870  0603_LED  [0603_SINGLE]  275.25 220 0 top
D12871  0603_LED  [0603_SINGLE]  217.25 218 0 top
D12872  0603_LED  [0603_SINGLE]  219.25 218 0 top
D12873  0603_LED  [0603_SINGLE]  221.25 218 0 top
D12874  0603_LED  [0603_SINGLE]  223.25 218 0 top
D12875  0603_LED  [0603_SINGLE]  225.25 218 0 top
D12876  0603_LED  [0603_SINGLE]  227.25 218 0 top
D12877  0603_LED  [0603_SINGLE]  229.25 218 0 top
D12878  0603_LED  [0603_SINGLE]  231.25 218 0 top
D12879  0603_LED  [0603_SINGLE]  233.25 218 0 top
D12880  0603_LED  [0603_SINGLE]  235.25 218 0 top
D12881  0603_LED  [0603_SINGLE]  237.25 218 0 top
D12882  0603_LED  [0603_SINGLE]  239.25 218 0 top
D12883  0603_LED  [0603_SINGLE]  241.25 218 0 top
D12884  0603_LED  [0603_SINGLE]  243.25 218 0 top
D12885  0603_LED  [0603_SINGLE]  245.25 218 0 top
D12886  0603_LED  [0603_SINGLE]  247.25 218 0 top
D12887  0603_LED  [0603_SINGLE]  249.25 218 0 top
D12888  0603_LED  [0603_SINGLE]  251.25 218 0 top
D12889  0603_LED  [0603_SINGLE]  253.25 218 0 top
D12890  0603_LED  [0603_SINGLE]  255.25 218 0 top
D12891  0603_LED  [0603_SINGLE]  257.25 218 0 top
D12892  0603_LED  [0603_SINGLE]  259.25 218 0 top
D12893  0603_LED  [0603_SINGLE]  261.25 218 0 top
D12894  0603_LED  [0603_SINGLE]  263.25 218 0 top
D12895  0603_LED  [0603_SINGLE]  265.25 218 0 top
D12896  0603_LED  [0603_SINGLE]  267.25 218 0 top
D12897  0603_LED  [0603_SINGLE]  269.25 218 0 top
D12898  0603_LED  [0603_SINGLE]  271.25 218 0 top
D12899  0603_LED  [0603_SINGLE]  273.25 218 0 top
D12900  0603_LED  [0603_SINGLE]  275.25 218 0 top
D12901  0603_LED  [0603_SINGLE]  217.25 216 0 top
D12902  0603_LED  [0603_SINGLE]  219.25 216 0 top
D12903  0603_LED  [0603_SINGLE]  221.25 216 0 top
D12904  0603_LED  [0603_SINGLE]  223.25 216 0 top
D12905  0603_LED  [0603_SINGLE]  225.25 216 0 top
D12906  0603_LED  [0603_SINGLE]  227.25 216 0 top
D12907  0603_LED  [0603_SINGLE]  229.25 216 0 top
D12908  0603_LED  [0603_SINGLE]  231.25 216 0 top
D12909  0603_LED  [0603_SINGLE]  233.25 216 0 top
D12910  0603_LED  [0603_SINGLE]  235.25 216 0 top
D12911  0603_LED  [0603_SINGLE]  237.25 216 0 top
D12912  0603_LED  [0603_SINGLE]  239.25 216 0 top
D12913  0603_LED  [0603_SINGLE]  241.25 216 0 top
D12914  0603_LED  [0603_SINGLE]  243.25 216 0 top
D12915  0603_LED  [0603_SINGLE]  245.25 216 0 top
D12916  0603_LED  [0603_SINGLE]  247.25 216 0 top
D12917  0603_LED  [0603_SINGLE]  249.25 216 0 top
D12918  0603_LED  [0603_SINGLE]  251.25 216 0 top
D12919  0603_LED  [0603_SINGLE]  253.25 216 0 top
D12920  0603_LED  [0603_SINGLE]  255.25 216 0 top
D12921  0603_LED  [0603_SINGLE]  257.25 216 0 top
D12922  0603_LED  [0603_SINGLE]  259.25 216 0 top
D12923  0603_LED  [0603_SINGLE]  261.25 216 0 top
D12924  0603_LED  [0603_SINGLE]  263.25 216 0 top
D12925  0603_LED  [0603_SINGLE]  265.25 216 0 top
D12926  0603_LED  [0603_SINGLE]  267.25 216 0 top
D12927  0603_LED  [0603_SINGLE]  269.25 216 0 top
D12928  0603_LED  [0603_SINGLE]  271.25 216 0 top
D12929  0603_LED  [0603_SINGLE]  273.25 216 0 top
D12930  0603_LED  [0603_SINGLE]  275.25 216 0 top
D12931  0603_LED  [0603_SINGLE]  217.25 214 0 top
D12932  0603_LED  [0603_SINGLE]  219.25 214 0 top
D12933  0603_LED  [0603_SINGLE]  221.25 214 0 top
D12934  0603_LED  [0603_SINGLE]  223.25 214 0 top
D12935  0603_LED  [0603_SINGLE]  225.25 214 0 top
D12936  0603_LED  [0603_SINGLE]  227.25 214 0 top
D12937  0603_LED  [0603_SINGLE]  229.25 214 0 top
D12938  0603_LED  [0603_SINGLE]  231.25 214 0 top
D12939  0603_LED  [0603_SINGLE]  233.25 214 0 top
D12940  0603_LED  [0603_SINGLE]  235.25 214 0 top
D12941  0603_LED  [0603_SINGLE]  237.25 214 0 top
D12942  0603_LED  [0603_SINGLE]  239.25 214 0 top
D12943  0603_LED  [0603_SINGLE]  241.25 214 0 top
D12944  0603_LED  [0603_SINGLE]  243.25 214 0 top
D12945  0603_LED  [0603_SINGLE]  245.25 214 0 top
D12946  0603_LED  [0603_SINGLE]  247.25 214 0 top
D12947  0603_LED  [0603_SINGLE]  249.25 214 0 top
D12948  0603_LED  [0603_SINGLE]  251.25 214 0 top
D12949  0603_LED  [0603_SINGLE]  253.25 214 0 top
D12950  0603_LED  [0603_SINGLE]  255.25 214 0 top
D12951  0603_LED  [0603_SINGLE]  257.25 214 0 top
D12952  0603_LED  [0603_SINGLE]  259.25 214 0 top
D12953  0603_LED  [0603_SINGLE]  261.25 214 0 top
D12954  0603_LED  [0603_SINGLE]  263.25 214 0 top
D12955  0603_LED  [0603_SINGLE]  265.25 214 0 top
D12956  0603_LED  [0603_SINGLE]  267.25 214 0 top
D12957  0603_LED  [0603_SINGLE]  269.25 214 0 top
D12958  0603_LED  [0603_SINGLE]  271.25 214 0 top
D12959  0603_LED  [0603_SINGLE]  273.25 214 0 top
D12960  0603_LED  [0603_SINGLE]  275.25 214 0 top
D12961  0603_LED  [0603_SINGLE]  217.25 212 0 top
D12962  0603_LED  [0603_SINGLE]  219.25 212 0 top
D12963  0603_LED  [0603_SINGLE]  221.25 212 0 top
D12964  0603_LED  [0603_SINGLE]  223.25 212 0 top
D12965  0603_LED  [0603_SINGLE]  225.25 212 0 top
D12966  0603_LED  [0603_SINGLE]  227.25 212 0 top
D12967  0603_LED  [0603_SINGLE]  229.25 212 0 top
D12968  0603_LED  [0603_SINGLE]  231.25 212 0 top
D12969  0603_LED  [0603_SINGLE]  233.25 212 0 top
D12970  0603_LED  [0603_SINGLE]  235.25 212 0 top
D12971  0603_LED  [0603_SINGLE]  237.25 212 0 top
D12972  0603_LED  [0603_SINGLE]  239.25 212 0 top
D12973  0603_LED  [0603_SINGLE]  241.25 212 0 top
D12974  0603_LED  [0603_SINGLE]  243.25 212 0 top
D12975  0603_LED  [0603_SINGLE]  245.25 212 0 top
D12976  0603_LED  [0603_SINGLE]  247.25 212 0 top
D12977  0603_LED  [0603_SINGLE]  249.25 212 0 top
D12978  0603_LED  [0603_SINGLE]  251.25 212 0 top
D12979  0603_LED  [0603_SINGLE]  253.25 212 0 top
D12980  0603_LED  [0603_SINGLE]  255.25 212 0 top
D12981  0603_LED  [0603_SINGLE]  257.25 212 0 top
D12982  0603_LED  [0603_SINGLE]  259.25 212 0 top
D12983  0603_LED  [0603_SINGLE]  261.25 212 0 top
D12984  0603_LED  [0603_SINGLE]  263.25 212 0 top
D12985  0603_LED  [0603_SINGLE]  265.25 212 0 top
D12986  0603_LED  [0603_SINGLE]  267.25 212 0 top
D12987  0603_LED  [0603_SINGLE]  269.25 212 0 top
D12988  0603_LED  [0603_SINGLE]  271.25 212 0 top
D12989  0603_LED  [0603_SINGLE]  273.25 212 0 top
D12990  0603_LED  [0603_SINGLE]  275.25 212 0 top
D12991  0603_LED  [0603_SINGLE]  217.25 210 0 top
D12992  0603_LED  [0603_SINGLE]  219.25 210 0 top
D12993  0603_LED  [0603_SINGLE]  221.25 210 0 top
D12994  0603_LED  [0603_SINGLE]  223.25 210 0 top
D12995  0603_LED  [0603_SINGLE]  225.25 210 0 top
D12996  0603_LED  [0603_SINGLE]  227.25 210 0 top
D12997  0603_LED  [0603_SINGLE]  229.25 210 0 top
D12998  0603_LED  [0603_SINGLE]  231.25 210 0 top
D12999  0603_LED  [0603_SINGLE]  233.25 210 0 top
D13000  0603_LED  [0603_SINGLE]  235.25 210 0 top
D13001  0603_LED  [0603_SINGLE]  237.25 210 0 top
D13002  0603_LED  [0603_SINGLE]  239.25 210 0 top
D13003  0603_LED  [0603_SINGLE]  241.25 210 0 top
D13004  0603_LED  [0603_SINGLE]  243.25 210 0 top
D13005  0603_LED  [0603_SINGLE]  245.25 210 0 top
D13006  0603_LED  [0603_SINGLE]  247.25 210 0 top
D13007  0603_LED  [0603_SINGLE]  249.25 210 0 top
D13008  0603_LED  [0603_SINGLE]  251.25 210 0 top
D13009  0603_LED  [0603_SINGLE]  253.25 210 0 top
D13010  0603_LED  [0603_SINGLE]  255.25 210 0 top
D13011  0603_LED  [0603_SINGLE]  257.25 210 0 top
D13012  0603_LED  [0603_SINGLE]  259.25 210 0 top
D13013  0603_LED  [0603_SINGLE]  261.25 210 0 top
D13014  0603_LED  [0603_SINGLE]  263.25 210 0 top
D13015  0603_LED  [0603_SINGLE]  265.25 210 0 top
D13016  0603_LED  [0603_SINGLE]  267.25 210 0 top
D13017  0603_LED  [0603_SINGLE]  269.25 210 0 top
D13018  0603_LED  [0603_SINGLE]  271.25 210 0 top
D13019  0603_LED  [0603_SINGLE]  273.25 210 0 top
D13020  0603_LED  [0603_SINGLE]  275.25 210 0 top
D13021  0603_LED  [0603_SINGLE]  217.25 208 0 top
D13022  0603_LED  [0603_SINGLE]  219.25 208 0 top
D13023  0603_LED  [0603_SINGLE]  221.25 208 0 top
D13024  0603_LED  [0603_SINGLE]  223.25 208 0 top
D13025  0603_LED  [0603_SINGLE]  225.25 208 0 top
D13026  0603_LED  [0603_SINGLE]  227.25 208 0 top
D13027  0603_LED  [0603_SINGLE]  229.25 208 0 top
D13028  0603_LED  [0603_SINGLE]  231.25 208 0 top
D13029  0603_LED  [0603_SINGLE]  233.25 208 0 top
D13030  0603_LED  [0603_SINGLE]  235.25 208 0 top
D13031  0603_LED  [0603_SINGLE]  237.25 208 0 top
D13032  0603_LED  [0603_SINGLE]  239.25 208 0 top
D13033  0603_LED  [0603_SINGLE]  241.25 208 0 top
D13034  0603_LED  [0603_SINGLE]  243.25 208 0 top
D13035  0603_LED  [0603_SINGLE]  245.25 208 0 top
D13036  0603_LED  [0603_SINGLE]  247.25 208 0 top
D13037  0603_LED  [0603_SINGLE]  249.25 208 0 top
D13038  0603_LED  [0603_SINGLE]  251.25 208 0 top
D13039  0603_LED  [0603_SINGLE]  253.25 208 0 top
D13040  0603_LED  [0603_SINGLE]  255.25 208 0 top
D13041  0603_LED  [0603_SINGLE]  257.25 208 0 top
D13042  0603_LED  [0603_SINGLE]  259.25 208 0 top
D13043  0603_LED  [0603_SINGLE]  261.25 208 0 top
D13044  0603_LED  [0603_SINGLE]  263.25 208 0 top
D13045  0603_LED  [0603_SINGLE]  265.25 208 0 top
D13046  0603_LED  [0603_SINGLE]  267.25 208 0 top
D13047  0603_LED  [0603_SINGLE]  269.25 208 0 top
D13048  0603_LED  [0603_SINGLE]  271.25 208 0 top
D13049  0603_LED  [0603_SINGLE]  273.25 208 0 top
D13050  0603_LED  [0603_SINGLE]  275.25 208 0 top
D13051  0603_LED  [0603_SINGLE]  217.25 206 0 top
D13052  0603_LED  [0603_SINGLE]  219.25 206 0 top
D13053  0603_LED  [0603_SINGLE]  221.25 206 0 top
D13054  0603_LED  [0603_SINGLE]  223.25 206 0 top
D13055  0603_LED  [0603_SINGLE]  225.25 206 0 top
D13056  0603_LED  [0603_SINGLE]  227.25 206 0 top
D13057  0603_LED  [0603_SINGLE]  229.25 206 0 top
D13058  0603_LED  [0603_SINGLE]  231.25 206 0 top
D13059  0603_LED  [0603_SINGLE]  233.25 206 0 top
D13060  0603_LED  [0603_SINGLE]  235.25 206 0 top
D13061  0603_LED  [0603_SINGLE]  237.25 206 0 top
D13062  0603_LED  [0603_SINGLE]  239.25 206 0 top
D13063  0603_LED  [0603_SINGLE]  241.25 206 0 top
D13064  0603_LED  [0603_SINGLE]  243.25 206 0 top
D13065  0603_LED  [0603_SINGLE]  245.25 206 0 top
D13066  0603_LED  [0603_SINGLE]  247.25 206 0 top
D13067  0603_LED  [0603_SINGLE]  249.25 206 0 top
D13068  0603_LED  [0603_SINGLE]  251.25 206 0 top
D13069  0603_LED  [0603_SINGLE]  253.25 206 0 top
D13070  0603_LED  [0603_SINGLE]  255.25 206 0 top
D13071  0603_LED  [0603_SINGLE]  257.25 206 0 top
D13072  0603_LED  [0603_SINGLE]  259.25 206 0 top
D13073  0603_LED  [0603_SINGLE]  261.25 206 0 top
D13074  0603_LED  [0603_SINGLE]  263.25 206 0 top
D13075  0603_LED  [0603_SINGLE]  265.25 206 0 top
D13076  0603_LED  [0603_SINGLE]  267.25 206 0 top
D13077  0603_LED  [0603_SINGLE]  269.25 206 0 top
D13078  0603_LED  [0603_SINGLE]  271.25 206 0 top
D13079  0603_LED  [0603_SINGLE]  273.25 206 0 top
D13080  0603_LED  [0603_SINGLE]  275.25 206 0 top
D13081  0603_LED  [0603_SINGLE]  217.25 204 0 top
D13082  0603_LED  [0603_SINGLE]  219.25 204 0 top
D13083  0603_LED  [0603_SINGLE]  221.25 204 0 top
D13084  0603_LED  [0603_SINGLE]  223.25 204 0 top
D13085  0603_LED  [0603_SINGLE]  225.25 204 0 top
D13086  0603_LED  [0603_SINGLE]  227.25 204 0 top
D13087  0603_LED  [0603_SINGLE]  229.25 204 0 top
D13088  0603_LED  [0603_SINGLE]  231.25 204 0 top
D13089  0603_LED  [0603_SINGLE]  233.25 204 0 top
D13090  0603_LED  [0603_SINGLE]  235.25 204 0 top
D13091  0603_LED  [0603_SINGLE]  237.25 204 0 top
D13092  0603_LED  [0603_SINGLE]  239.25 204 0 top
D13093  0603_LED  [0603_SINGLE]  241.25 204 0 top
D13094  0603_LED  [0603_SINGLE]  243.25 204 0 top
D13095  0603_LED  [0603_SINGLE]  245.25 204 0 top
D13096  0603_LED  [0603_SINGLE]  247.25 204 0 top
D13097  0603_LED  [0603_SINGLE]  249.25 204 0 top
D13098  0603_LED  [0603_SINGLE]  251.25 204 0 top
D13099  0603_LED  [0603_SINGLE]  253.25 204 0 top
D13100  0603_LED  [0603_SINGLE]  255.25 204 0 top
D13101  0603_LED  [0603_SINGLE]  257.25 204 0 top
D13102  0603_LED  [0603_SINGLE]  259.25 204 0 top
D13103  0603_LED  [0603_SINGLE]  261.25 204 0 top
D13104  0603_LED  [0603_SINGLE]  263.25 204 0 top
D13105  0603_LED  [0603_SINGLE]  265.25 204 0 top
D13106  0603_LED  [0603_SINGLE]  267.25 204 0 top
D13107  0603_LED  [0603_SINGLE]  269.25 204 0 top
D13108  0603_LED  [0603_SINGLE]  271.25 204 0 top
D13109  0603_LED  [0603_SINGLE]  273.25 204 0 top
D13110  0603_LED  [0603_SINGLE]  275.25 204 0 top
D13111  0603_LED  [0603_SINGLE]  217.25 202 0 top
D13112  0603_LED  [0603_SINGLE]  219.25 202 0 top
D13113  0603_LED  [0603_SINGLE]  221.25 202 0 top
D13114  0603_LED  [0603_SINGLE]  223.25 202 0 top
D13115  0603_LED  [0603_SINGLE]  225.25 202 0 top
D13116  0603_LED  [0603_SINGLE]  227.25 202 0 top
D13117  0603_LED  [0603_SINGLE]  229.25 202 0 top
D13118  0603_LED  [0603_SINGLE]  231.25 202 0 top
D13119  0603_LED  [0603_SINGLE]  233.25 202 0 top
D13120  0603_LED  [0603_SINGLE]  235.25 202 0 top
D13121  0603_LED  [0603_SINGLE]  237.25 202 0 top
D13122  0603_LED  [0603_SINGLE]  239.25 202 0 top
D13123  0603_LED  [0603_SINGLE]  241.25 202 0 top
D13124  0603_LED  [0603_SINGLE]  243.25 202 0 top
D13125  0603_LED  [0603_SINGLE]  245.25 202 0 top
D13126  0603_LED  [0603_SINGLE]  247.25 202 0 top
D13127  0603_LED  [0603_SINGLE]  249.25 202 0 top
D13128  0603_LED  [0603_SINGLE]  251.25 202 0 top
D13129  0603_LED  [0603_SINGLE]  253.25 202 0 top
D13130  0603_LED  [0603_SINGLE]  255.25 202 0 top
D13131  0603_LED  [0603_SINGLE]  257.25 202 0 top
D13132  0603_LED  [0603_SINGLE]  259.25 202 0 top
D13133  0603_LED  [0603_SINGLE]  261.25 202 0 top
D13134  0603_LED  [0603_SINGLE]  263.25 202 0 top
D13135  0603_LED  [0603_SINGLE]  265.25 202 0 top
D13136  0603_LED  [0603_SINGLE]  267.25 202 0 top
D13137  0603_LED  [0603_SINGLE]  269.25 202 0 top
D13138  0603_LED  [0603_SINGLE]  271.25 202 0 top
D13139  0603_LED  [0603_SINGLE]  273.25 202 0 top
D13140  0603_LED  [0603_SINGLE]  275.25 202 0 top
D13141  0603_LED  [0603_SINGLE]  217.25 200 0 top
D13142  0603_LED  [0603_SINGLE]  219.25 200 0 top
D13143  0603_LED  [0603_SINGLE]  221.25 200 0 top
D13144  0603_LED  [0603_SINGLE]  223.25 200 0 top
D13145  0603_LED  [0603_SINGLE]  225.25 200 0 top
D13146  0603_LED  [0603_SINGLE]  227.25 200 0 top
D13147  0603_LED  [0603_SINGLE]  229.25 200 0 top
D13148  0603_LED  [0603_SINGLE]  231.25 200 0 top
D13149  0603_LED  [0603_SINGLE]  233.25 200 0 top
D13150  0603_LED  [0603_SINGLE]  235.25 200 0 top
D13151  0603_LED  [0603_SINGLE]  237.25 200 0 top
D13152  0603_LED  [0603_SINGLE]  239.25 200 0 top
D13153  0603_LED  [0603_SINGLE]  241.25 200 0 top
D13154  0603_LED  [0603_SINGLE]  243.25 200 0 top
D13155  0603_LED  [0603_SINGLE]  245.25 200 0 top
D13156  0603_LED  [0603_SINGLE]  247.25 200 0 top
D13157  0603_LED  [0603_SINGLE]  249.25 200 0 top
D13158  0603_LED  [0603_SINGLE]  251.25 200 0 top
D13159  0603_LED  [0603_SINGLE]  253.25 200 0 top
D13160  0603_LED  [0603_SINGLE]  255.25 200 0 top
D13161  0603_LED  [0603_SINGLE]  257.25 200 0 top
D13162  0603_LED  [0603_SINGLE]  259.25 200 0 top
D13163  0603_LED  [0603_SINGLE]  261.25 200 0 top
D13164  0603_LED  [0603_SINGLE]  263.25 200 0 top
D13165  0603_LED  [0603_SINGLE]  265.25 200 0 top
D13166  0603_LED  [0603_SINGLE]  267.25 200 0 top
D13167  0603_LED  [0603_SINGLE]  269.25 200 0 top
D13168  0603_LED  [0603_SINGLE]  271.25 200 0 top
D13169  0603_LED  [0603_SINGLE]  273.25 200 0 top
D13170  0603_LED  [0603_SINGLE]  275.25 200 0 top
D13171  0603_LED  [0603_SINGLE]  217.25 198 0 top
D13172  0603_LED  [0603_SINGLE]  219.25 198 0 top
D13173  0603_LED  [0603_SINGLE]  221.25 198 0 top
D13174  0603_LED  [0603_SINGLE]  223.25 198 0 top
D13175  0603_LED  [0603_SINGLE]  225.25 198 0 top
D13176  0603_LED  [0603_SINGLE]  227.25 198 0 top
D13177  0603_LED  [0603_SINGLE]  229.25 198 0 top
D13178  0603_LED  [0603_SINGLE]  231.25 198 0 top
D13179  0603_LED  [0603_SINGLE]  233.25 198 0 top
D13180  0603_LED  [0603_SINGLE]  235.25 198 0 top
D13181  0603_LED  [0603_SINGLE]  237.25 198 0 top
D13182  0603_LED  [0603_SINGLE]  239.25 198 0 top
D13183  0603_LED  [0603_SINGLE]  241.25 198 0 top
D13184  0603_LED  [0603_SINGLE]  243.25 198 0 top
D13185  0603_LED  [0603_SINGLE]  245.25 198 0 top
D13186  0603_LED  [0603_SINGLE]  247.25 198 0 top
D13187  0603_LED  [0603_SINGLE]  249.25 198 0 top
D13188  0603_LED  [0603_SINGLE]  251.25 198 0 top
D13189  0603_LED  [0603_SINGLE]  253.25 198 0 top
D13190  0603_LED  [0603_SINGLE]  255.25 198 0 top
D13191  0603_LED  [0603_SINGLE]  257.25 198 0 top
D13192  0603_LED  [0603_SINGLE]  259.25 198 0 top
D13193  0603_LED  [0603_SINGLE]  261.25 198 0 top
D13194  0603_LED  [0603_SINGLE]  263.25 198 0 top
D13195  0603_LED  [0603_SINGLE]  265.25 198 0 top
D13196  0603_LED  [0603_SINGLE]  267.25 198 0 top
D13197  0603_LED  [0603_SINGLE]  269.25 198 0 top
D13198  0603_LED  [0603_SINGLE]  271.25 198 0 top
D13199  0603_LED  [0603_SINGLE]  273.25 198 0 top
D13200  0603_LED  [0603_SINGLE]  275.25 198 0 top
D13201  0603_LED  [0603_SINGLE]  217.25 196 0 top
D13202  0603_LED  [0603_SINGLE]  219.25 196 0 top
D13203  0603_LED  [0603_SINGLE]  221.25 196 0 top
D13204  0603_LED  [0603_SINGLE]  223.25 196 0 top
D13205  0603_LED  [0603_SINGLE]  225.25 196 0 top
D13206  0603_LED  [0603_SINGLE]  227.25 196 0 top
D13207  0603_LED  [0603_SINGLE]  229.25 196 0 top
D13208  0603_LED  [0603_SINGLE]  231.25 196 0 top
D13209  0603_LED  [0603_SINGLE]  233.25 196 0 top
D13210  0603_LED  [0603_SINGLE]  235.25 196 0 top
D13211  0603_LED  [0603_SINGLE]  237.25 196 0 top
D13212  0603_LED  [0603_SINGLE]  239.25 196 0 top
D13213  0603_LED  [0603_SINGLE]  241.25 196 0 top
D13214  0603_LED  [0603_SINGLE]  243.25 196 0 top
D13215  0603_LED  [0603_SINGLE]  245.25 196 0 top
D13216  0603_LED  [0603_SINGLE]  247.25 196 0 top
D13217  0603_LED  [0603_SINGLE]  249.25 196 0 top
D13218  0603_LED  [0603_SINGLE]  251.25 196 0 top
D13219  0603_LED  [0603_SINGLE]  253.25 196 0 top
